# Altium PCB PCB1.PcbDoc (part 1 of 2) (continued)
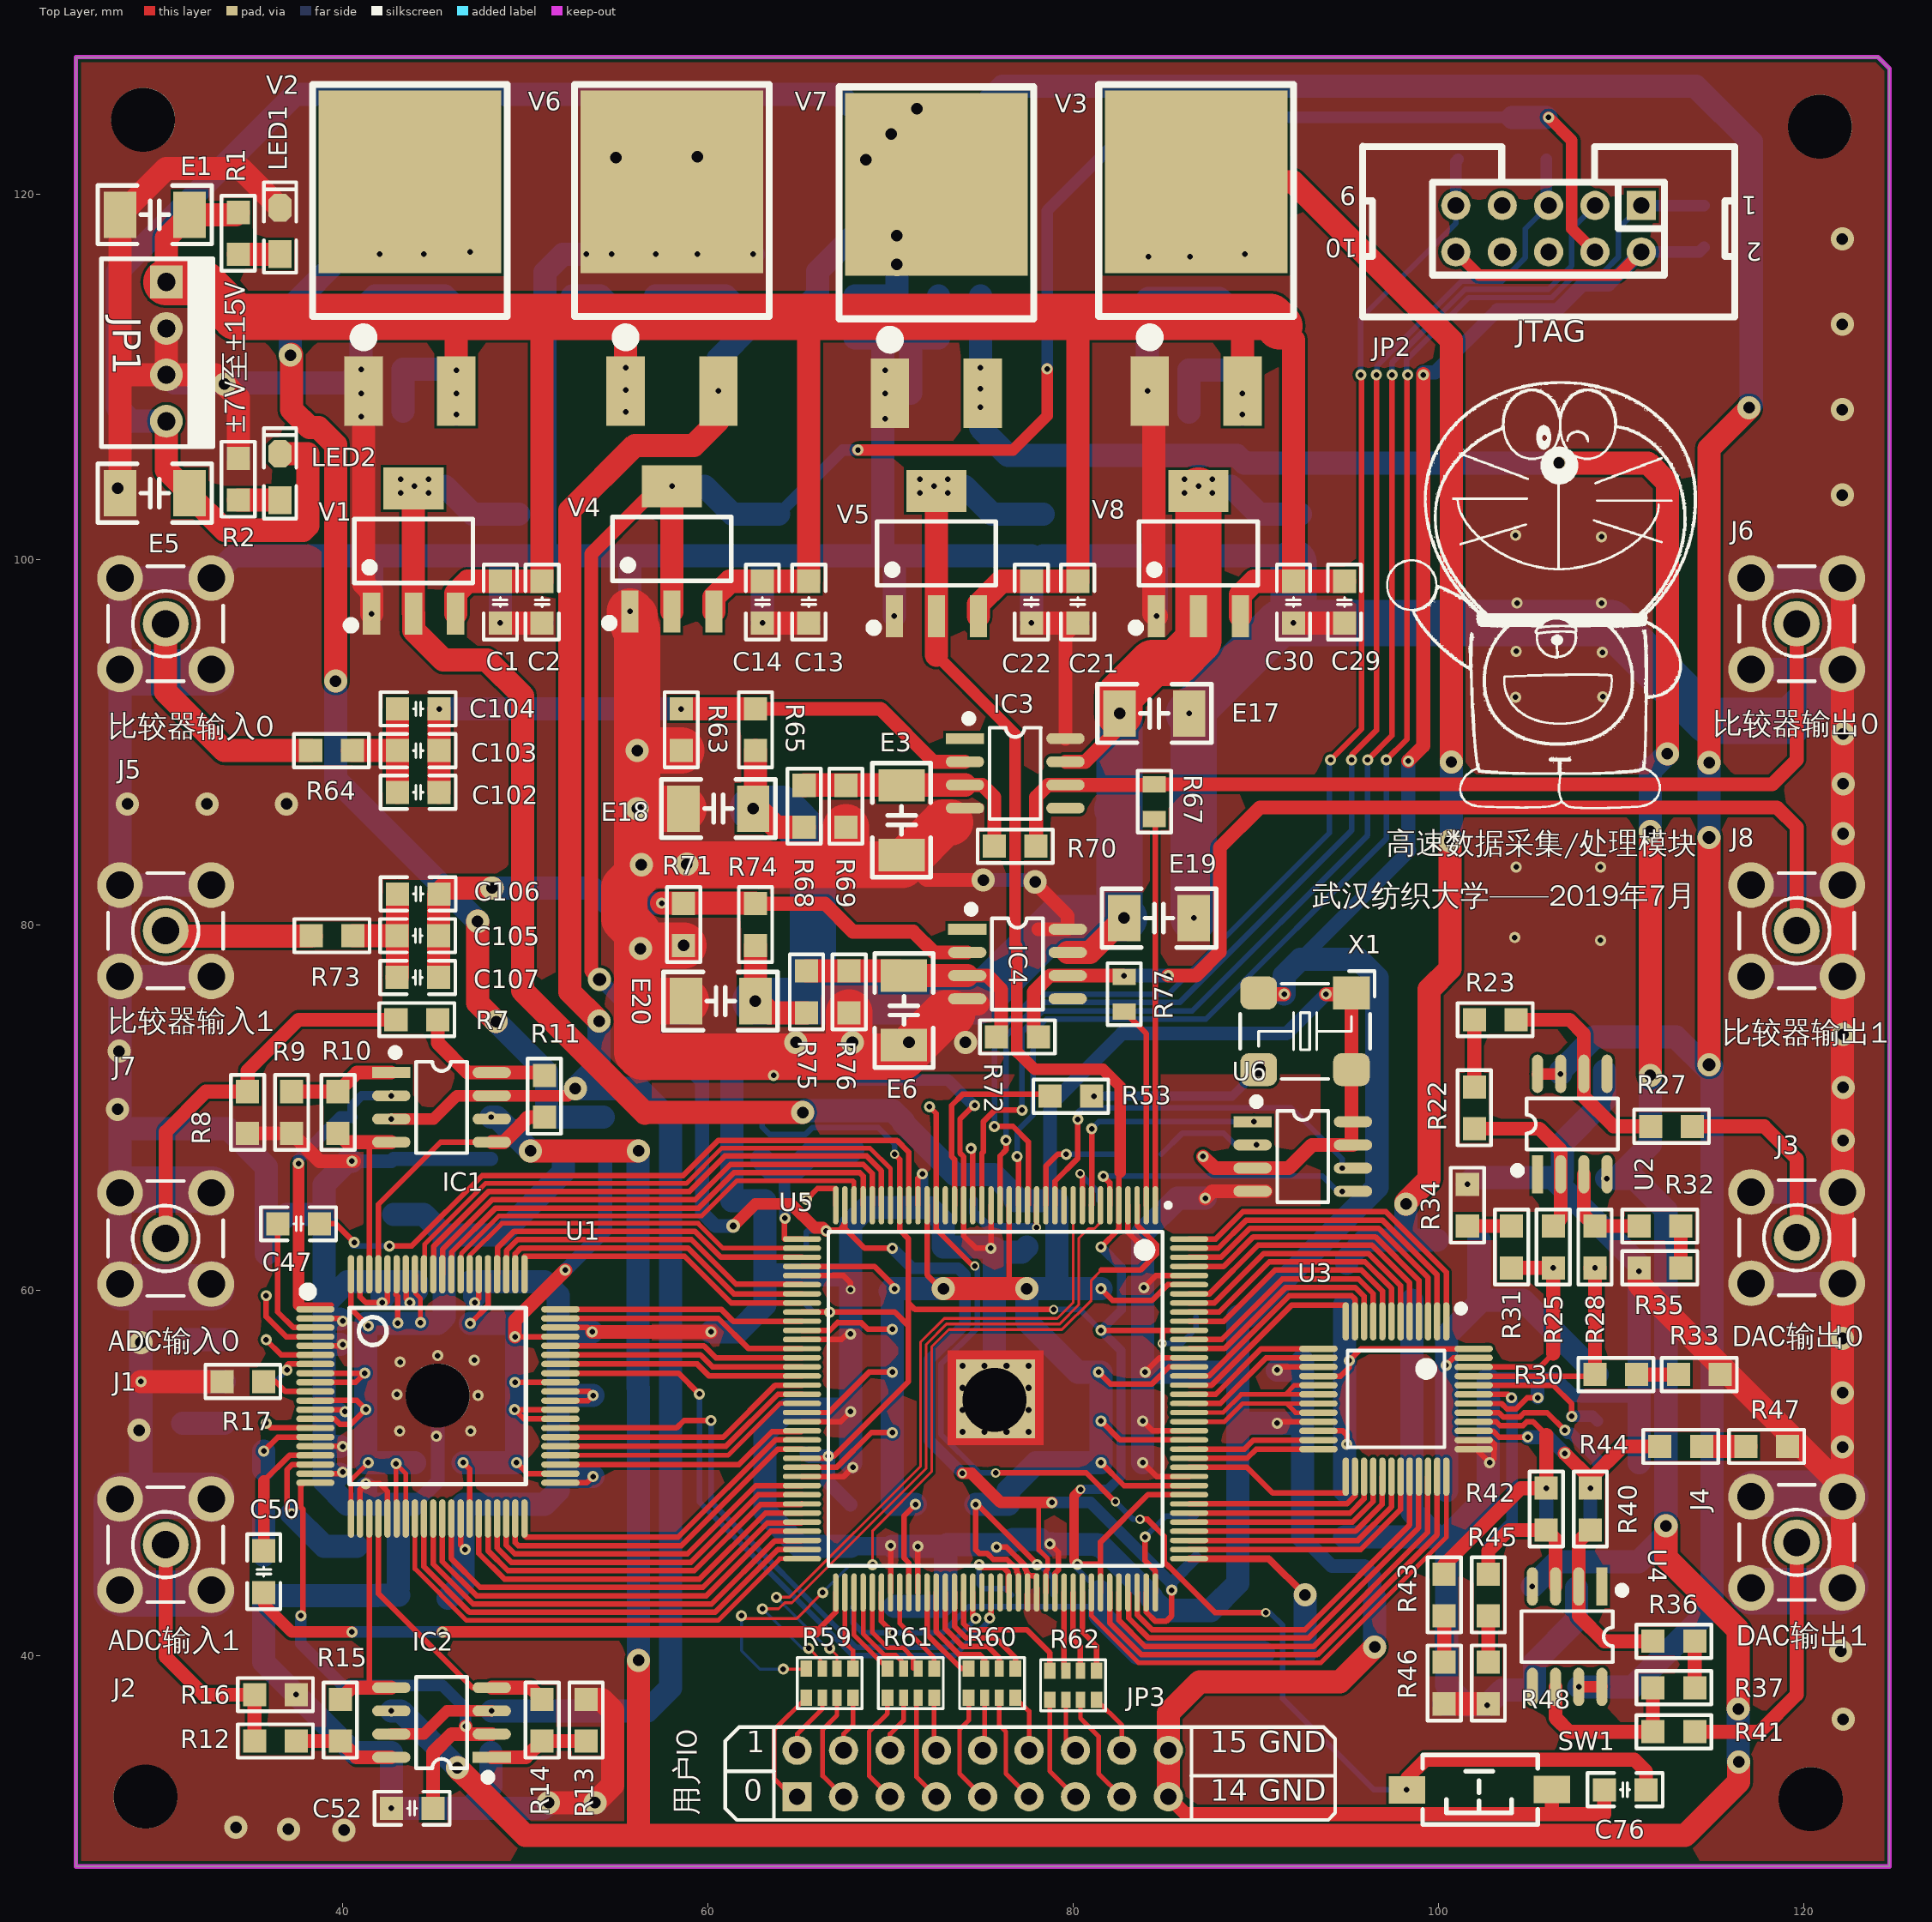
[diagram p0: Top Layer view]
## Footprints (in the part's own frame and the unit in brackets; to place one, negate y for a bottom-side part, rotate by r counter-clockwise, add the part's x,y. Pads: shape width x height; smd on the part's side, far side on the other; paste and mask are expansions set on the pad)
"C 0805_M" [mil] "无极性贴片电容"
  rect 50x50 smd: 1(-45,0) 2(45,0)
  silkscreen extent -81,-36 81,36, body extent -39,-24 39,24, height 20
"C 1210_M" [mil] "无极性贴片电容"
  rect 70x100 smd: 1(-75,0) 2(75,0)
  silkscreen extent -123,-63 123,63, body extent -63,-51 63,51, height 60
EQFP144_M [mm] "Thin QFP, 144-Leads, Body 20x20mm, Pitch 0.5mm, IPC Low Density"
  oval 2.1x0.3 smd: 1(-10.6,8.75) 2(-10.6,8.25) 3(-10.6,7.75) 4(-10.6,7.25) 5(-10.6,6.75) 6(-10.6,6.25) 7(-10.6,5.75) 8(-10.6,5.25) 9(-10.6,4.75) 10(-10.6,4.25) 11(-10.6,3.75) 12(-10.6,3.25) 13(-10.6,2.75) 14(-10.6,2.25) 15(-10.6,1.75) 16(-10.6,1.25) 17(-10.6,0.75) 18(-10.6,0.25) 19(-10.6,-0.25) 20(-10.6,-0.75) 21(-10.6,-1.25) 22(-10.6,-1.75) 23(-10.6,-2.25) 24(-10.6,-2.75) 25(-10.6,-3.25) 26(-10.6,-3.75) 27(-10.6,-4.25) 28(-10.6,-4.75) 29(-10.6,-5.25) 30(-10.6,-5.75) 31(-10.6,-6.25) 32(-10.6,-6.75) 33(-10.6,-7.25) 34(-10.6,-7.75) 35(-10.6,-8.25) 36(-10.6,-8.75) 73(10.6,-8.75) 74(10.6,-8.25) 75(10.6,-7.75) 76(10.6,-7.25) 77(10.6,-6.75) 78(10.6,-6.25) 79(10.6,-5.75) 80(10.6,-5.25) 81(10.6,-4.75) 82(10.6,-4.25) 83(10.6,-3.75) 84(10.6,-3.25) 85(10.6,-2.75) 86(10.6,-2.25) 87(10.6,-1.75) 88(10.6,-1.25) 89(10.6,-0.75) 90(10.6,-0.25) 91(10.6,0.25) 92(10.6,0.75) 93(10.6,1.25) 94(10.6,1.75) 95(10.6,2.25) 96(10.6,2.75) 97(10.6,3.25) 98(10.6,3.75) 99(10.6,4.25) 100(10.6,4.75) 101(10.6,5.25) 102(10.6,5.75) 103(10.6,6.25) 104(10.6,6.75) 105(10.6,7.25) 106(10.6,7.75) 107(10.6,8.25) 108(10.6,8.75)
  oval 0.3x2.1 smd: 37(-8.75,-10.6) 38(-8.25,-10.6) 39(-7.75,-10.6) 40(-7.25,-10.6) 41(-6.75,-10.6) 42(-6.25,-10.6) 43(-5.75,-10.6) 44(-5.25,-10.6) 45(-4.75,-10.6) 46(-4.25,-10.6) 47(-3.75,-10.6) 48(-3.25,-10.6) 49(-2.75,-10.6) 50(-2.25,-10.6) 51(-1.75,-10.6) 52(-1.25,-10.6) 53(-0.75,-10.6) 54(-0.25,-10.6) 55(0.25,-10.6) 56(0.75,-10.6) 57(1.25,-10.6) 58(1.75,-10.6) 59(2.25,-10.6) 60(2.75,-10.6) 61(3.25,-10.6) 62(3.75,-10.6) 63(4.25,-10.6) 64(4.75,-10.6) 65(5.25,-10.6) 66(5.75,-10.6) 67(6.25,-10.6) 68(6.75,-10.6) 69(7.25,-10.6) 70(7.75,-10.6) 71(8.25,-10.6) 72(8.75,-10.6) 109(8.75,10.6) 110(8.25,10.6) 111(7.75,10.6) 112(7.25,10.6) 113(6.75,10.6) 114(6.25,10.6) 115(5.75,10.6) 116(5.25,10.6) 117(4.75,10.6) 118(4.25,10.6) 119(3.75,10.6) 120(3.25,10.6) 121(2.75,10.6) 122(2.25,10.6) 123(1.75,10.6) 124(1.25,10.6) 125(0.75,10.6) 126(0.25,10.6) 127(-0.25,10.6) 128(-0.75,10.6) 129(-1.25,10.6) 130(-1.75,10.6) 131(-2.25,10.6) 132(-2.75,10.6) 133(-3.25,10.6) 134(-3.75,10.6) 135(-4.25,10.6) 136(-4.75,10.6) 137(-5.25,10.6) 138(-5.75,10.6) 139(-6.25,10.6) 140(-6.75,10.6) 141(-7.25,10.6) 142(-7.75,10.6) 143(-8.25,10.6) 144(-8.75,10.6)
  rect 4.3x4.3 smd: 145(0,0)
  silkscreen extent -10.72,-9.15 9.15,9.57, body extent -10,-10 10,10, height 1.6
HDR2.54-LI-2x9P [mm] "双排排针，9x2脚"
  rect 1.6x1.6 hole 0.9: 1(-10.16,-1.27)
  round 1.6 hole 0.9: 2(-10.16,1.27) 3(-7.62,-1.27) 4(-7.62,1.27) 5(-5.08,-1.27) 6(-5.08,1.27) 7(-2.54,-1.27) 8(-2.54,1.27) 9(0,-1.27) 10(0,1.27) 11(2.54,-1.27) 12(2.54,1.27) 13(5.08,-1.27) 14(5.08,1.27) 15(7.62,-1.27) 16(7.62,1.27) 17(10.16,-1.27) 18(10.16,1.27)
  silkscreen extent -11.43,-2.54 11.43,2.54, body extent -11.43,-2.54 11.43,2.54, height 8.5
IDC2.54-LI-2x5P [mm] "10P简易牛角座"
  rect 1.6x1.6 hole 0.9: 1(0,0)
  round 1.6 hole 0.9: 2(0,2.54) 3(2.54,0) 4(2.54,2.54) 5(5.08,0) 6(5.08,2.54) 7(7.62,0) 8(7.62,2.54) 9(10.16,0) 10(10.16,2.54)
  silkscreen extent -5.11,-3.23 15.27,6.1, body extent -5.08,-3.08 15.24,5.77, height 9.17
KF2510-LI-4P [mm] "接插件/2A"
  rect 1.8x1.8 hole 1: 1(-3.81,0)
  round 1.8 hole 1: 2(-1.27,0) 3(1.27,0) 4(3.81,0)
  silkscreen extent -5.08,-3.56 5.21,2.54, body extent -5.08,-3.5 5.08,2.4, height 11.05
"L 0805" [mil] "小功率贴片电感"
  rect 40x55 smd: 1(-45,0) 2(45,0)
  silkscreen extent -75,-35 75,35, body extent -39,-24 39,24, height 35
"LED 0805G" [mil] "绿色0805LED"
  rect 60x50 smd: 1(-50,0)
  oct 60x50 smd: 2(50,0)
  silkscreen extent -90,-35 105,35, body extent -39,-25 39,25, height 32
"LQFP80 12x12_M" [mm] "80脚，体宽12x12mm，脚距0.5mm"
  oval 0.35x2.1 smd: 1(-4.75,-6.706) 2(-4.25,-6.706) 3(-3.75,-6.706) 4(-3.25,-6.706) 5(-2.75,-6.706) 6(-2.25,-6.706) 7(-1.75,-6.706) 8(-1.25,-6.706) 9(-0.75,-6.706) 10(-0.25,-6.706) 11(0.25,-6.706) 12(0.75,-6.706) 13(1.25,-6.706) 14(1.75,-6.706) 15(2.25,-6.706) 16(2.75,-6.706) 17(3.25,-6.706) 18(3.75,-6.706) 19(4.25,-6.706) 20(4.75,-6.706) 41(4.75,6.717) 42(4.25,6.717) 43(3.75,6.717) 44(3.25,6.717) 45(2.75,6.717) 46(2.25,6.717) 47(1.75,6.717) 48(1.25,6.717) 49(0.75,6.717) 50(0.25,6.717) 51(-0.25,6.717) 52(-0.75,6.717) 53(-1.25,6.717) 54(-1.75,6.717) 55(-2.25,6.717) 56(-2.75,6.717) 57(-3.25,6.717) 58(-3.75,6.717) 59(-4.25,6.717) 60(-4.75,6.717)
  oval 2.1x0.35 smd: 21(6.706,-4.75) 22(6.706,-4.25) 23(6.706,-3.75) 24(6.706,-3.25) 25(6.706,-2.75) 26(6.706,-2.25) 27(6.706,-1.75) 28(6.706,-1.25) 29(6.706,-0.75) 30(6.706,-0.25) 31(6.706,0.25) 32(6.706,0.75) 33(6.706,1.25) 34(6.706,1.75) 35(6.706,2.25) 36(6.706,2.75) 37(6.706,3.25) 38(6.706,3.75) 39(6.706,4.25) 40(6.706,4.75) 61(-6.67,4.75) 62(-6.67,4.25) 63(-6.67,3.75) 64(-6.67,3.25) 65(-6.67,2.75) 66(-6.67,2.25) 67(-6.67,1.75) 68(-6.67,1.25) 69(-6.67,0.75) 70(-6.67,0.25) 71(-6.67,-0.25) 72(-6.67,-0.75) 73(-6.67,-1.25) 74(-6.67,-1.75) 75(-6.67,-2.25) 76(-6.67,-2.75) 77(-6.67,-3.25) 78(-6.67,-3.75) 79(-6.67,-4.25) 80(-6.67,-4.75)
  silkscreen extent -5.96,-7.36 4.83,4.83, body extent -7,-7 7,7, height 1.45
"OSC 7050-4P" [mm]
  rect 2x1.8 smd: 1(-2.54,-2.1)
  rrect50% 2x1.8 smd: 2(2.54,-2.1) 3(2.54,2.1) 4(-2.54,2.1)
  silkscreen extent -3.81,-3.3 3.56,2.61, body extent -3.5,-2.67 3.5,2.33, height 1.36
"R 0805_L" [mil] "1/8W贴片电阻"
  rect 35x50 smd: 1(-37.4,0) 2(37.4,0)
  silkscreen extent -67,-36 67,36, body extent -39,-25 39,25, height 20
"R 0805_M" [mil] "1/8W贴片电阻"
  rect 50x50 smd: 1(-45,0) 2(45,0)
  silkscreen extent -81,-36 81,36, body extent -39,-25 39,25, height 20
"R 1206_M" [mil] "1/4W贴片电阻"
  rect 60x62.99 smd: 1(-67.5,0) 2(67.5,0)
  silkscreen extent -112,-44 112,44, body extent -63,-31 63,31, height 22
RCA-8P4R-0603 [mm] "3.2mm*1.6mm*0.6mm(长*宽*厚)"
  rect 0.65x0.9 smd: 1(-1.28,-0.8) 4(1.28,-0.8) 5(1.28,0.8) 8(-1.28,0.8)
  rect 0.5x0.9 smd: 2(-0.4,-0.8) 3(0.4,-0.8) 6(0.4,0.8) 7(-0.4,0.8)
  silkscreen extent -1.78,-1.4 1.78,1.4, body extent -1.6,-0.8 1.6,0.8, height 0.6
SMA_FR#1 [mm] "SMA 90度射频天线座"
  round 2.5 hole 1.5: 1(0,0) 2(-2.5,2.5) 2(2.5,2.5) 3(-2.5,-2.5) 3(2.5,-2.5)
  silkscreen extent -3.15,-3.15 3.15,3.15, body extent -3.5,-3.5 3.5,11.6, height 10.26
SMA_FR#2 [mm] "SMA 90度射频天线座"
  round 2.5 hole 1.5: 1(0,0) 2(2.5,2.5) 3(2.5,-2.5) 4(-2.5,-2.5) 5(-2.5,2.5)
  silkscreen extent -3.15,-3.15 3.15,3.15, body extent -3.5,-3.5 3.5,11.6, height 10.26
SOP8_M#1 [mm] "5*6*1.8mm（长宽高）"
  rect 2.1x0.6 smd: 1(-2.75,15.42)
  oval 2.1x0.6 smd: 2(-2.75,14.15) 3(-2.75,12.88) 4(-2.75,11.61) 5(2.75,11.61) 6(2.75,12.88) 7(2.75,14.15) 8(2.75,15.42)
  silkscreen extent -2.69,11.01 1.4,16.67, body extent -3,11.01 3,16.01, height 1.9
SOP8_M#2 [mm] "5*6*1.8mm（长宽高）"
  rect 2.1x0.6 smd: 1(-2.75,1.905)
  oval 2.1x0.6 smd: 2(-2.75,0.635) 3(-2.75,-0.635) 4(-2.75,-1.905) 5(2.75,-1.905) 6(2.75,-0.635) 7(2.75,0.635) 8(2.75,1.905)
  silkscreen extent -2.69,-2.5 1.4,3.15, body extent -3,-2.5 3,2.5, height 1.9
SOT223_M [mm] "6.4x7x1.6mm(长宽高)"
  rect 0.95x2.3 smd: 1(-2.3,-3.429) 2(0,-3.429) 3(2.3,-3.429)
  rect 3.3x2.3 smd: 2(0,3.429)
  silkscreen extent -3.63,-4.26 3.25,1.75, body extent -3.25,-3.51 3.25,3.51, height 1.65
TO263 [mm]
  rect 2.1x3.8 smd: 1(-2.54,-11.45) 3(2.54,-11.45)
  rect 10x10 smd: 2(0,0)
  silkscreen extent -5.33,-8.89 5.33,5.33, body extent -4.92,-11.05 5.08,3.88, height 4.5
"TQFP48 7x7_M" [mm] "48脚，体宽：7x7mm, 脚距：0.5mm"
  oval 0.35x2.1 smd: 1(-2.75,-4.251) 2(-2.25,-4.251) 3(-1.75,-4.251) 4(-1.25,-4.251) 5(-0.75,-4.251) 6(-0.25,-4.251) 7(0.25,-4.251) 8(0.75,-4.251) 9(1.25,-4.251) 10(1.75,-4.251) 11(2.25,-4.251) 12(2.75,-4.251) 25(2.75,4.251) 26(2.25,4.251) 27(1.75,4.251) 28(1.25,4.251) 29(0.75,4.251) 30(0.25,4.251) 31(-0.25,4.251) 32(-0.75,4.251) 33(-1.25,4.251) 34(-1.75,4.251) 35(-2.25,4.251) 36(-2.75,4.251)
  oval 2.1x0.35 smd: 13(4.251,-2.75) 14(4.251,-2.25) 15(4.251,-1.75) 16(4.251,-1.25) 17(4.251,-0.75) 18(4.251,-0.25) 19(4.251,0.25) 20(4.251,0.75) 21(4.251,1.25) 22(4.251,1.75) 23(4.251,2.25) 24(4.251,2.75) 37(-4.251,2.75) 38(-4.251,2.25) 39(-4.251,1.75) 40(-4.251,1.25) 41(-4.251,0.75) 42(-4.251,0.25) 43(-4.251,-0.25) 44(-4.251,-0.75) 45(-4.251,-1.25) 46(-4.251,-1.75) 47(-4.251,-2.25) 48(-4.251,-2.75)
  silkscreen extent -3.68,-5.08 2.65,2.65, body extent -4.5,-4.5 4.5,4.5, height 1.05
"TSW SMD-3*6*2.5" [mm] "3*6*2.5mm"
  rect 2x1.5 smd: 1(-3.996,-0.02) 2(3.937,0)
  silkscreen extent -3.21,-1.9 3.09,1.9, body extent -4,-1.88 4,1.62, height 2.59

## Part data
C1 C2 C3 C4 C5 C6 C7 C8 C9 C10 C11 C12 C13 C14 C15 C16 C17 C18 C19 C20 C21 C22 C23 C24 C25 C26 C27 C28 C29 C30 C31 C32 C33 C34 C35 C36 C37 C38 C39 C40 C41 C42 C43 C44 C45 C46 C47 C48 C49 C50 C51 C52 C53 C54 C55 C56 C57 C58 C59 C60 C61 C62 C63 C64 C65 C66 C67 C68 C69 C70 C71 C72 C73 C74 C75 C76 C77 C78 C79 C80 C81 C82 C83 C84 C85 C86 C87 C88 C89 C90 C91 C92 C93 C94 C95 C96 C97 C98 C99 C100 C101 C102 C103 C104 C105 C106 C107: library part C, "无极性贴片电容"
E1 E2 E3 E4 E5 E6 E7 E8 E9 E10 E11 E12 E13 E14 E15 E16 E17 E18 E19 E20: library part C-CAP, "直插电解电容"
IC1 IC2 IC3 IC4: library part 24Cxx, "外置EEPROM"
JP1: library part "Header 4", "4P接插件"
JP2: "5*2P接插件"
JP3: "9*2P接插件"
L1 L2 L3 L4: library part L, "小功率贴片电感"
LED1 LED2: library part LED-SMD, "贴片LED"
R1 R2 R4 R5 R6 R7 R8 R9 R10 R11 R12 R13 R14 R15 R16 R17 R18 R19 R20 R21 R22 R23 R24 R25 R26 R27 R28 R29 R30 R31 R32 R33 R34 R35 R36 R37 R38 R39 R40 R41 R42 R43 R44 R45 R46 R47 R48 R50 R51 R52 R53 R54 R55 R56 R57 R58 R63 R64 R65 R66 R67 R68 R69 R70 R71 R72 R73 R74 R75 R76 R77: library part R, "贴片电阻"
R49: library part Res2, "Resistor"
R59 R60 R61 R62: library part R-8P4R, "贴片网络排阻"
SW1: library part "TSW 3x6", "3x6轻触开关"
U2 U4: library part 单运放
U5: "Cyclone IV Family FPGA, 2V Core, 91 I/O Pins, 2 PLLs, 144-Pin QFP, Speed Grade 8, Commercial Grade"
U6: library part EPCS1SI8
V1 V2 V3 V4 V5 V6 V7 V8: library part AMS1117, "三端稳压芯片"
X1: "4脚有源晶振"

## Free pads (board coordinates)
  round 3.5 hole 3.5: 0(29.083,124.079) 1(120.904,123.698) 2(120.396,32.131) 3(29.21,32.258) 4(45.212,54.229) 5(75.692,53.975)

## Via types
v1: diameter 0.61, hole 0.305, Top Layer to Bottom Layer, 236 vias
v2: diameter 1.27, hole 0.635, Top Layer to Bottom Layer, 79 vias
v3: diameter 0.508, hole 0.305, Top Layer to Bottom Layer, 17 vias
v4: diameter 0.66, hole 0.33, Top Layer to Bottom Layer, tented top, 16 vias
v5: diameter 1.27, hole 0.711, Top Layer to Bottom Layer, 3 vias
v6: diameter 1.27, hole 0.762, Top Layer to Bottom Layer, 1 vias
v7: diameter 1.27, hole 0.61, Top Layer to Bottom Layer, 1 vias
v8: diameter 0.762, hole 0.381, Top Layer to Bottom Layer, 1 vias

## Nets (pads, with @x,y where several pads share a name; then routed paths per layer and width w, separated by ;. In a path a pad name is that pad's centre, name@x,y a point inside that pad or via, vN(x,y) a via of type N, cw(c..) or ccw(c..) an arc to the next point about the centre after c; other vN are vias at no path point)
ADC_AVCC: C33.2 C34.2 C35.2 C36.2 C37.2 C38.2 E11.1 R4.2 U1.8 U1.9 U1.11 U1.13 U1.21 U1.26 U1.27 U1.73 U1.75 U1.80 | length 61.4
  Top Layer w0.254: U1.21@40.462,47.491 40.462,49.606 v1(41.402,50.546) ; U1.26@42.962,47.491 42.926,47.527 v1(42.926,50.491) 43.462,49.955 U1.27@43.462,47.491 ; U1.73@43.962,60.866 44.008,60.821 44.008,59.803 44.272,59.539 v1(44.272,58.217)
  Top Layer w0.305: U1.13@38.506,52.947 39.56,52.947 39.852,52.655 40.463,52.655 v1(41.275,53.467) 40.792,53.95 38.509,53.95 U1.11@38.506,53.947 ; U1.9@38.506,54.947 40.723,54.947 v1(41.223,55.447) U1.8@38.506,55.447 ; U1.80@40.462,60.866 40.462,58.979 v1(41.402,58.039) ; U1.75@42.962,60.866 42.951,60.856 42.951,59.8 42.919,59.767 43.025,59.662 v1(43.025,58.194)
  Bottom Layer w1.27: E11.1@42.799,64.135 44.45,64.135 45.568,63.017 ; C38.2@43.942,50.546 v1(41.402,50.546) C36.2@41.275,50.546 C35.2@41.275,53.213 v1(41.275,53.467) C34.2@41.275,55.88 C33.2@41.275,58.166 C37.2@44.069,58.166 45.212,58.166 45.568,58.522 45.568,63.017 ; R4.2@52.095,67.183 52.095,66.446 48.666,63.017 45.568,63.017
ADC_CLKA: C47.2 U5.28 | length 38.3
  Top Layer w0.305: C47.2@38.735,63.627 39.624,63.627 v1(40.64,62.611) ; v1(42.572,62.408) 43.786,62.408 47.647,66.269 58.649,66.269 60.579,68.199 70.358,68.199 71.01,67.547 U5.28@71.01,64.642
  Bottom Layer w0.305: v1@40.564,62.408 v1(42.572,62.408)
ADC_CLKB: C50.2 U5.73 | length 34.1
  Top Layer w0.305: 65.913,41.275 67.01,42.372 U5.73@67.01,43.442
  Top Layer w0.635: C50.2@35.687,43.434 35.687,42.799 37.211,41.275 v1(40.513,41.275) ; v1(45.466,41.275) 65.913,41.275
  Bottom Layer w0.635: v1(40.513,41.275) v1(45.466,41.275)
ADC_CLKOUTA: U1.53 U5.90 | length 35.9
  Top Layer w0.305: U1.53@51.929,55.447 58.396,55.447 v1(59.538,54.305) ; v1@75.438,41.91 v1(75.438,42.037) 75.51,42.109 U5.90@75.51,43.442
  Bottom Layer w0.305: v1(59.538,54.305) 59.538,48.401 67.959,39.98 73.501,39.98 75.438,41.917 v1(75.438,42.037)
ADC_CLKOUTB: U1.47 U5.88 | length 32.8
  Top Layer w0.305: U1.47@51.929,52.447 58.289,52.447 58.699,52.857 v1(60.173,52.857) ; U5.88@74.51,43.442 74.51,42.183 v1(74.676,42.017)
  Bottom Layer w0.305: v1(60.173,52.857) 60.173,48.412 68.148,40.437 73.126,40.437 74.676,41.987 v1(74.676,42.017)
ADC_DA0: U1.54 U5.52 | length 13.5
  Top Layer w0.305: U1.54@51.929,55.947 59.42,55.947 60.075,55.292 U5.52@65.16,55.292
ADC_DA1: U1.55 U5.51 | length 13.5
  Top Layer w0.305: U1.55@51.929,56.447 59.606,56.447 60.261,55.792 U5.51@65.16,55.792
ADC_DA2: U1.56 U5.50 | length 13.5
  Top Layer w0.305: U1.56@51.929,56.947 59.792,56.947 60.447,56.292 U5.50@65.16,56.292
ADC_DA3: U1.59 U5.49 | length 13.9
  Top Layer w0.305: U1.59@51.929,58.447 60.578,58.447 62.233,56.792 U5.49@65.16,56.792
ADC_DA4: U1.60 U5.46 | length 13.5
  Top Layer w0.305: U1.60@51.929,58.947 60.738,58.947 61.393,58.292 U5.46@65.16,58.292
ADC_DA5: U1.61 U5.44 | length 17.2
  Top Layer w0.305: U1.61@49.962,60.866 49.962,61.849 58.725,61.849 61.282,59.292 U5.44@65.16,59.292
ADC_DA6: U1.62 U5.43 | length 18
  Top Layer w0.305: U1.62@49.462,60.866 49.462,61.996 49.773,62.306 58.914,62.306 61.429,59.792 U5.43@65.16,59.792
ADC_DA7: U1.63 U5.42 | length 18.8
  Top Layer w0.305: U1.63@48.962,60.866 48.982,60.866 48.982,62.162 49.583,62.763 59.104,62.763 61.549,60.318 65.133,60.318 U5.42@65.16,60.292
ADC_DA8: U1.64 U5.39 | length 19.1
  Top Layer w0.305: U1.64@48.462,60.866 48.482,60.887 48.482,62.309 49.394,63.221 59.293,63.221 60.722,61.792 U5.39@65.16,61.792
ADC_DA9: U1.67 U5.38 | length 20.5
  Top Layer w0.254: U1.67@46.962,60.866 46.962,61.884 48.73,63.652 59.472,63.652 60.833,62.292 U5.38@65.16,62.292
ADC_DA10: U1.68 U5.34 | length 25.7
  Top Layer w0.254: U1.68@46.462,60.866 46.508,60.866 46.508,62.004 48.562,64.059 59.677,64.059 61.608,65.989 67.954,65.989 68.01,65.933 U5.34@68.01,64.642
ADC_DA11: U1.69 U5.33 | length 27.2
  Top Layer w0.305: U1.69@45.962,60.866 45.982,60.887 45.982,62.09 48.383,64.491 59.498,64.491 61.429,66.421 68.326,66.421 68.51,66.237 U5.33@68.51,64.642
ADC_DA12: U1.70 U5.32 | length 28.8
  Top Layer w0.305: U1.70@45.462,60.866 45.482,60.866 45.482,62.236 48.194,64.948 59.309,64.948 61.239,66.878 68.515,66.878 69.01,66.384 U5.32@69.01,64.642
ADC_DA13: U1.71 U5.31 | length 30.3
  Top Layer w0.305: U1.71@44.962,60.866 44.982,60.866 44.982,62.383 48.004,65.405 59.006,65.405 60.937,67.335 68.705,67.335 69.51,66.53 U5.31@69.51,64.642
ADC_DB0: U1.28 U5.72 | length 26.5
  Top Layer w0.254: U1.28@43.962,47.491 43.962,44.735 46.787,41.91 60.566,41.91 63.948,45.292 U5.72@65.16,45.292
ADC_DB1: U1.29 U5.71 | length 25.8
  Top Layer w0.305: U1.29@44.462,47.491 44.462,44.845 46.956,42.351 60.397,42.351 63.837,45.792 U5.71@65.16,45.792
ADC_DB2: U1.30 U5.70 | length 25
  Top Layer w0.305: U1.30@44.962,47.491 44.962,44.992 47.146,42.808 60.207,42.808 63.648,46.249 65.117,46.249 U5.70@65.16,46.292
ADC_DB3: U1.31 U5.69 | length 24.3
  Top Layer w0.305: U1.31@45.462,47.491 45.462,45.139 47.335,43.265 59.926,43.265 63.452,46.792 U5.69@65.16,46.792
ADC_DB4: U1.32 U5.68 | length 23.5
  Top Layer w0.305: U1.32@45.962,47.491 45.962,45.285 47.525,43.723 59.736,43.723 63.262,47.249 65.117,47.249 U5.68@65.16,47.292
ADC_DB5: U1.35 U5.67 | length 21.7
  Top Layer w0.305: U1.35@47.462,47.491 47.462,45.583 48.865,44.18 59.547,44.18 63.159,47.792 U5.67@65.16,47.792
ADC_DB6: U1.36 U5.66 | length 20.9
  Top Layer w0.305: U1.36@47.962,47.491 47.962,45.729 49.054,44.637 59.265,44.637 62.877,48.249 65.117,48.249 U5.66@65.16,48.292
ADC_DB7: U1.37 U5.65 | length 20.2
  Top Layer w0.305: U1.37@48.462,47.491 48.462,45.876 49.244,45.094 59.076,45.094 62.773,48.792 U5.65@65.16,48.792
ADC_DB8: U1.38 U5.64 | length 19.4
  Top Layer w0.305: U1.38@48.962,47.491 48.962,46.022 49.433,45.551 58.886,45.551 62.627,49.292 U5.64@65.16,49.292
ADC_DB9: U1.39 U5.60 | length 19.3
  Top Layer w0.305: U1.39@49.462,47.491 49.462,46.169 49.622,46.009 58.567,46.009 63.85,51.292 U5.60@65.16,51.292
ADC_DB10: U1.40 U5.59 | length 18.4
  Top Layer w0.305: U1.40@49.962,47.491 49.962,46.558 50.054,46.466 58.378,46.466 63.704,51.792 U5.59@65.16,51.792
ADC_DB11: U1.43 U5.58 | length 14
  Top Layer w0.305: U1.43@51.929,50.447 61.712,50.447 63.514,52.249 65.117,52.249 U5.58@65.16,52.292
ADC_DB12: U1.44 U5.55 | length 14.4
  Top Layer w0.254: U1.44@51.929,50.947 61.107,50.947 63.952,53.792 U5.55@65.16,53.792
ADC_DB13: U1.45 U5.54 | length 14.4
  Top Layer w0.305: U1.45@51.929,51.447 60.996,51.447 63.841,54.292 U5.54@65.16,54.292
ADC_DVCC: C39.2 C40.2 C41.2 C42.2 C43.2 C44.2 R5.1 U1.34 U1.42 U1.48 U1.49 U1.52 U1.57 U1.65 | length 44
  Top Layer w0.305: v1(46.609,50.546) 46.962,50.193 U1.34@46.962,47.491 ; v1(46.99,58.166) 47.962,59.138 U1.65@47.962,60.866 ; v1(49.446,57.447) U1.57@51.929,57.447 ; v1(49.447,54.947) U1.52@51.929,54.947 ; v1(49.53,50.546) 50.129,49.947 U1.42@51.929,49.947 ; U1.48@51.929,52.947 49.923,52.947 v1(49.423,53.447) U1.49@51.929,53.447
  Top Layer w0.762: v1(49.446,57.447) 49.446,58.34 50.76,59.655 50.765,59.655 v1(52.197,61.087)
  Bottom Layer w0.762: v1(52.197,61.087) 54.381,63.271 R5.1@54.381,67.183
  Bottom Layer w1.27: v1(46.609,50.546) v1(49.53,50.546) C40.2@49.53,53.213 C39.2@49.53,55.752 C44.2@49.53,58.166 v1(46.99,58.166)
ADC_OVERA: U1.72 U5.30 | length 31.8
  Top Layer w0.254: U1.72@44.462,60.866 44.508,60.866 44.508,62.519 47.826,65.837 58.827,65.837 60.758,67.767 68.884,67.767 70.01,66.641 U5.30@70.01,64.642
ADC_OVERB: U1.46 U5.53 | length 14.4
  Top Layer w0.305: U1.46@51.929,51.947 60.849,51.947 63.694,54.792 U5.53@65.16,54.792
ADC_VCC: C7.2 C8.2 E4.1 R4.1 R5.2 V2.2 | length 64.6
  Top Layer w1.27: v2@37.211,111.227 37.211,108.204 38.202,107.213 38.689,107.213 39.624,106.279 v2(39.624,93.345) ; v2(47.396,80.188) 47.396,75.717 v2(48.412,74.701)
  Bottom Layer w1.27: v2(37.148,111.188) 37.148,113.792 40.069,116.713 v1(42.037,116.713) C8.2@44.323,116.713 v1(44.45,116.713) 46.863,116.713 v1(46.99,116.84) ; v2(39.624,93.345) 39.624,87.96 v2(47.396,80.188) ; v2(48.412,74.701) 51.181,71.933 51.181,69.469 R5.2@54.28,69.469
AGND: C1.1 C2.1 C3.1 C4.1 C5.1 C6.1 C7.1 C8.1 C9.1 C10.1 C11.1 C12.1 C13.1 C14.1 C15.1 C16.1 C17.1 C18.1 C19.1 C20.1 C21.1 C22.1 C23.1 C24.1 C25.1 C26.1 C27.1 C28.1 C29.1 C30.1 C31.1 C32.1 C33.1 C34.1 C35.1 C36.1 C37.1 C38.1 C45.2 C46.1 C48.1 C49.1 C51.1 C52.1 C53.2 C54.1 C59.1 C60.1 C61.1 C62.1 C68.1 C69.1 C70.1 C71.2 C73.1 C74.1 E1.2 E2.2 E3.2 E4.2 E5.1 E6.2 E7.2 E8.2 E9.2 E10.2 E11.2 E12.2 E13.2 E14.2 E17.2 E18.2 E19.2 E20.2 IC3.4 IC3.8 IC4.4 IC4.8 J1.2 J1.3 J2.2 J2.3 J2.4 J2.5 J3.2 J3.3 J4.2 J4.3 J5.2 J5.3 J6.2 J6.3 J7.2 J7.3 J8.2 J8.3 JP1.2 JP1.3 LED1.2 pad.0 pad.1 pad.2 pad.3 pad.4 R2.1 R6.1 R8.2 R9.1 R13.1 R16.1 R17.1 R18.1 R19.1 R20.1 R21.1 R29.2 R33.1 R34.2 R35.2 R38.2 R39.2 R46.1 R47.2 R48.2 R63.2 R66.2 R69.1 R71.2 R76.1 U1.2 U1.5 U1.12 U1.16 U1.19 U1.22 U1.25 U1.74 U1.76 U1.79 U3.37 U3.38 U3.42 V1.1 V2.1 V3.1 V4.1 V5.1 V6.2 V7.1 V8.1 | length 866
  Top Layer w0.305: U1.19@38.506,49.947 39.914,49.947 v1(40.005,50.038) ; U1.16@38.506,51.447 39.993,51.447 v1(40.005,51.435) ; U1.12@38.506,53.447 40.025,53.447 v1(40.132,53.34) ; U1.5@38.506,56.947 39.929,56.947 v1(40.005,57.023) ; U1.2@38.506,58.447 39.851,58.447 v1(40.005,58.293) ; U1.22@40.962,47.491 40.962,49.09 v1(41.275,49.403) 42.037,49.403 42.462,48.978 U1.25@42.462,47.491 ; U1.79@40.962,60.866 40.962,59.622 41.275,59.309 v1(42.164,59.309) 42.418,59.309 42.462,59.353 U1.76@42.462,60.866 ; U1.74@43.462,60.866 43.482,60.846 43.482,59.515 43.682,59.315 v1(43.682,59.303) ; U3.37@101.942,51.285 102.08,51.285 v1(102.819,50.546) 103.05,50.777 103.05,51.285 103.073,51.308 103.073,51.56 102.849,51.785 U3.38@101.942,51.785 ; U3.42@101.942,53.785 103.468,53.785 103.76,53.492 104.266,53.492 104.875,54.102 v1(105.461,54.102)
  Top Layer w0.762: R8.2@34.798,68.58 R9.1@37.211,68.58 38.735,67.056 v1(40.513,67.056) v1@40.64,67.056 ; E3.2@70.612,83.82 70.889,83.543 71.984,82.448 v2(75.082,82.448) ; v2(77.927,82.347) 77.927,82.271 79.712,80.486 IC4.8@79.712,79.754 78.107,79.754 ; IC3.8@79.585,90.194 79.585,95.841 C21.1@80.264,96.52
  Top Layer w1.016: E6.2@70.739,73.406 E6.2@71.12,73.406
  Top Layer w1.27: E5.1@27.813,103.632 27.813,110.109 ; v1(28.956,54.991) R17.1@33.401,54.991 ; JP1.2@30.353,112.649 JP1.3@30.353,110.109 ; R2.1@34.29,105.537 34.29,108.839 v2(33.528,109.601) 33.02,110.109 JP1.3@30.353,110.109 ; LED1.2@36.576,119.253 34.417,121.412 30.353,121.412 E1.2@27.813,118.872 27.813,110.109 ; V2.1@41.148,109.22 41.148,98.679 41.592,98.235 v1(41.592,97.028) ; v1(48.641,96.52) C2.1@50.927,96.52 ; v2(51.283,31.928) v2(53.823,31.928) 54.788,32.893 54.788,36.982 54.178,37.592 R13.1@53.34,37.592 ; v1(62.992,96.52) C13.1@65.532,96.52 ; 67.691,83.82 E3.2@70.612,83.82 ; v2@67.742,73.406 E6.2@70.739,73.406 ; E6.2@71.12,73.406 73.383,75.669 IC4.4@74.803,75.669 ; v1(77.724,96.52) C21.1@80.264,96.52 ; V3.1@84.201,109.22 84.431,108.99 84.431,97.038 v1(84.568,96.901) ; v1(92.075,96.52) C29.1@94.869,96.52 ; R46.1@100.33,37.338 R48.2@102.743,37.338 ; R35.2@110.998,61.214 v1(110.998,61.023) 110.998,60.325 J4.2@122.134,49.189 ; J4.2@122.134,43.686 J4.2@122.134,48.686 J4.2@122.134,49.189 ; J6.2@122.134,98.98 J6.2@122.134,93.98 J8.2@122.134,82.174 J8.2@122.134,77.174 J3.2@122.134,65.367 J3.2@122.134,60.367 v2(122.134,57.353) v2(122.134,54.381) v2(122.134,51.41) J4.2@122.134,49.189 ; 27.813,110.109 JP1.3@30.353,110.109
  Top Layer w2.54: v1(55.739,97.155) 55.982,96.912 55.982,96.303 56.134,96.15 v2(56.134,89.535) ; R63.2@58.547,89.535 v2(56.134,89.535) ; v2(58.674,78.867) v2@56.134,78.867 ; E18.2@58.674,86.36 v2(56.134,86.36) ; E20.2@58.801,75.819 56.261,75.819 56.134,75.946 ; R69.1@67.564,85.344 67.564,83.947 67.691,83.82 ; R76.1@67.742,75.184 67.742,73.406 67.742,72.847 67.818,72.771 ; 73.278,85.597 72.943,85.597 70.889,83.543 70.633,83.287 v2(56.363,83.287) v2@56.134,83.058 ; 73.383,75.157 73.048,75.157 70.662,72.771 67.818,72.771 ; 56.134,75.946 v2@56.134,78.867 ; 56.134,75.946 56.134,73.025 56.388,72.771 67.818,72.771 ; v2@56.134,78.867 56.134,79.615 55.423,80.326 55.423,82.031 56.134,82.742 v2@56.134,83.058 ; v2@56.134,83.058 v2(56.134,86.36) ; v2(56.134,86.36) v2(56.134,89.535)
  Bottom Layer w0.762: v1(40.513,67.056) 42.673,67.056 C45.2@42.8,67.183 C49.1@48.133,67.183 ; C38.1@43.942,48.26 45.212,49.53 pad.4@45.212,54.229 ; C53.2@48.133,34.671 C53.2@48.26,34.798 ; v2(75.082,82.448) 77.826,82.448 v2(77.927,82.347) ; C60.1@102.743,53.721 C60.1@103.022,54 ; 102.743,55.118 105.435,55.118 ; v1@105.435,54.127 105.435,55.118 ; 110.998,53.975 110.769,54.204 107.856,54.204 107.831,54.229 107.315,54.229 106.426,55.118 105.435,55.118
  Bottom Layer w1.27: J2.2@27.813,48.561 27.985,48.733 28.956,49.704 R20.1@28.956,52.705 v1(28.956,54.991) v2(28.956,57.125) R18.1@28.956,57.277 28.956,59.182 27.985,60.153 27.813,60.325 27.813,65.327 27.813,68.834 ; JP1.3@30.353,110.109 30.797,109.664 40.272,109.664 v1(41.021,110.414) ; J7.3@32.813,77.174 J7.2@27.813,77.174 ; J7.3@32.813,82.174 J7.2@27.813,82.174 ; C48.1@35.814,61.976 35.814,62.992 ; 39.751,53.213 C35.1@38.989,53.213 ; v1@39.853,49.911 39.472,49.53 38.989,49.53 ; v1@39.853,51.435 38.989,51.435 ; v1@39.853,57.023 38.989,57.023 ; v1@39.853,58.42 38.989,58.42 ; v1(40.513,67.056) 40.259,67.056 38.989,65.786 E11.2@38.989,64.135 ; v1(41.021,109.093) v1(41.021,110.414) ; v1@41.275,49.124 C36.1@41.275,48.26 ; v1(41.592,97.028) 41.592,100.203 ; v1@42.236,59.588 42.164,59.661 42.164,60.452 C33.1@41.275,60.452 40.259,60.452 38.989,59.182 ; 42.236,60.452 C37.1@44.069,60.452 44.069,59.976 v1@43.682,59.588 ; R6.1@43.078,43.282 R6.1@42.647,43.282 ; C38.1@43.942,48.26 43.18,48.26 ; E4.2@46.99,113.03 45.593,114.427 C8.1@44.323,114.427 C7.1@42.037,114.427 41.783,114.427 41.021,113.665 v1(41.021,110.414) ; C53.2@48.133,34.671 48.133,32.829 46.926,31.623 ; v1(48.641,96.52) 48.641,100.203 ; v2(51.283,31.928) 50.978,31.623 46.926,31.623 ; v1(55.739,97.155) 55.739,100.189 55.753,100.203 ; v1(62.484,116.713) v1(59.436,116.713) v1(57.15,116.713) C17.1@54.864,116.713 v1(54.737,116.713) v1(53.34,116.713) C18.1@52.578,116.713 52.07,116.713 51.079,115.722 51.079,100.203 ; v1(62.992,96.52) 62.992,100.203 ; C25.1@68.072,112.141 69.596,112.141 69.596,100.457 69.85,100.203 ; v1(69.723,109.093) E12.2@71.12,109.093 71.12,112.141 C27.1@72.644,112.141 C28.1@72.644,114.427 ; v1(70.217,96.901) 70.217,99.836 69.85,100.203 ; E10.2@72.39,100.076 72.263,100.203 69.85,100.203 ; E10.2@72.39,100.203 C23.1@75.565,100.203 77.724,100.203 v1(77.724,96.52) ; C24.1@78.359,100.203 84.201,100.203 ; 84.074,100.33 84.201,100.203 ; C9.1@84.074,108.077 v1(84.074,109.22) C10.1@84.074,110.363 84.074,114.25 C12.1@84.124,114.3 C11.1@86.411,114.3 88.011,114.3 E7.2@89.408,112.903 ; v1(84.568,96.901) 84.568,99.836 84.201,100.203 ; C32.1@92.075,99.822 C32.1@92.456,100.203 ; C32.1@92.329,100.203 C31.1@90.17,100.203 E13.2@86.868,100.203 84.201,100.203 ; R29.2@94.869,46.482 C71.2@99.949,46.482 ; E14.2@98.552,59.436 98.552,47.879 C71.2@99.949,46.482 ; v1(101.6,65.786) 101.981,66.167 C69.1@106.236,66.167 ; 102.743,55.118 C60.1@102.743,53.721 C61.1@102.743,51.308 C62.1@102.743,49.022 102.743,48.768 100.457,46.482 C71.2@100.457,45.974 ; C74.1@107.569,43.688 107.569,41.91 105.283,39.624 C73.1@105.283,38.1 103.505,38.1 v1(102.679,37.274) 101.536,37.274 100.457,38.354 C71.2@100.457,45.974 ; C68.1@109.093,72.009 109.093,70.358 106.807,68.072 C69.1@106.807,66.167 C69.1@106.236,66.167 ; R39.2@110.998,50.546 R38.2@110.998,52.832 110.998,53.975 C70.1@110.998,55.372 v1(110.998,61.023) 110.998,61.404 C69.1@106.236,66.167 ; J3.3@117.134,60.367 J3.2@122.134,60.367 J3.2@122.134,65.367 J3.3@117.134,65.367 ; J8.3@117.134,77.174 J8.2@122.134,77.174 ; J8.3@117.134,82.174 J8.2@122.134,82.174 ; J6.3@117.134,93.98 J6.2@122.134,93.98 ; J6.3@117.134,98.98 J6.2@122.134,98.98 ; 27.813,68.834 J7.2@27.813,77.174 ; 27.813,68.834 33.731,68.834 35.814,66.751 35.814,62.992 ; J7.2@27.813,77.174 J7.2@27.813,82.174 ; J7.2@27.813,82.174 J5.2@27.813,93.98 J5.2@27.813,98.98 J5.3@32.813,98.98 34.036,100.203 41.592,100.203 ; 35.814,62.992 36.957,64.135 E11.2@38.989,64.135 ; 38.989,49.53 40.259,48.26 C36.1@41.275,48.26 ; 38.989,49.53 38.989,51.435 ; 38.989,51.435 C35.1@38.989,53.213 ; C35.1@38.989,53.213 C34.1@38.989,55.88 38.989,57.023 ; 38.989,57.023 38.989,58.42 ; 38.989,58.42 38.989,59.182 ; 38.989,59.182 E11.2@38.989,64.135 ; C36.1@41.275,48.26 43.18,48.26 ; 41.592,100.203 E2.2@43.942,100.203 C3.1@47.117,100.203 48.641,100.203 ; R6.1@42.647,43.282 R6.1@42.507,43.282 41.885,43.282 41.872,43.269 35.776,43.269 R21.1@35.687,43.18 35.687,39.624 v1(37.465,37.846) 40.64,34.671 C54.1@42.672,34.671 v1(42.672,31.623) 46.926,31.623 ; R6.1@42.647,43.282 43.053,43.688 C51.1@43.053,45.974 43.053,48.133 43.18,48.26 ; 48.641,100.203 C4.1@49.657,100.203 51.079,100.203 ; 51.079,100.203 55.753,100.203 ; 55.753,100.203 E8.2@58.039,100.203 C15.1@61.341,100.203 62.992,100.203 ; 62.992,100.203 C16.1@63.881,100.203 69.85,100.203 ; C71.2@99.949,46.482 C71.2@100.457,45.974
  Bottom Layer w2.54: J1.2@27.811,65.325 27.813,65.327 27.984,65.497 32.811,65.497 J1.3@32.811,65.325 ; J2.2@27.813,48.561 27.641,48.389 27.641,43.561 J2.5@27.813,43.561 27.985,43.389 32.813,43.389 J2.4@32.813,43.561 ; J5.2@27.813,93.98 27.985,93.808 32.813,93.808 J5.3@32.813,93.98 ; J2.2@27.985,48.733 32.813,48.733 J2.3@32.813,48.561 ; J1.2@27.985,60.153 32.811,60.153 J1.3@32.811,60.325 ; v1(86.614,80.364) 86.614,91.313 v1(86.36,91.567) 91.313,96.52 v1(92.075,96.52) ; C32.1@92.075,99.822 v1(92.075,96.52) ; J4.3@117.134,43.686 117.134,43.513 121.962,43.513 J4.2@122.134,43.686 J4.2@122.306,43.858 ; J4.3@117.134,48.686 117.306,48.858 122.134,48.858 J4.2@122.134,48.686 J4.2@122.306,48.686 ; J6.2@122.134,93.98 119.315,91.161 114.808,91.161 109.449,96.52 v1(92.075,96.52)
  other v1: 45.136,51.994 43.129,52.273 47.015,52.273 47.422,54.229 42.977,54.28 43.155,56.058 47.219,56.159 45.212,56.413 63.602,71.755 108.89,79.146 104.191,79.299 104.267,83.16 108.89,83.16 104.242,92.456 109.017,92.481 108.991,94.92 104.267,94.971 104.318,97.612 108.941,97.612 108.941,101.244 104.242,101.321 69.723,107.696 41.021,107.823 69.723,110.363
  other v2: 40.081,30.429 37.033,30.48 34.163,30.582 122.174,36.5 122.047,40.234 28.854,52.324 122.174,68.199 27.686,69.901 122.174,71.095 27.762,73.076 64.821,73.558 67.92,73.558 71.018,73.558 74.117,73.558 122.174,73.99 56.312,78.689 58.852,83.312 122.174,84.988 28.219,86.614 32.575,86.614 36.932,86.614 122.174,87.719 122.174,90.449 122.123,103.53 27.686,103.911 122.123,108.204 122.123,112.878 122.123,117.551 54.966,121.996 59.436,122.047
ASDO: U5.6 U6.5 | length 15.2
  Top Layer w0.305: v1(81.661,66.23) 82.01,65.881 U5.6@82.01,64.642
  Bottom Layer w0.305: v1(81.661,66.23) 93.663,66.23 94.488,65.405 v1(94.742,65.405)
CLKMA: C48.2 U1.4 | length 4.3
  Top Layer w0.305: v1(35.814,59.69) 35.814,58.547 36.914,57.447 U1.4@38.506,57.447
CLKMB: C51.2 U1.18 | length 8.5
  Top Layer w0.305: v1(37.211,47.752) 36.957,48.006 36.957,50.165 37.239,50.447 U1.18@38.506,50.447
  Bottom Layer w1.27: v1(37.211,47.752) 38.989,45.974 C51.2@40.767,45.974
CMA: C46.2 IC1.2 U1.1 | length 16.7
  Top Layer w0.305: 37.592,59.182 39.37,59.182
  Top Layer w0.635: 37.592,59.182 v1(37.592,66.929)
  Bottom Layer w0.508: C46.2@40.513,69.469 40.513,70.104 41.045,70.636 v1(42.672,70.636)
  Bottom Layer w0.635: v1(37.592,66.929) 37.592,67.183 39.878,69.469 C46.2@40.513,69.469
CMB: C52.2 IC2.2 U1.20 | length 28.1
  Top Layer w0.305: v1(37.719,42.164) 37.821,42.266 37.821,48.005 37.719,48.106 37.719,49.276 37.89,49.447 U1.20@38.506,49.447
  Top Layer w0.762: C52.2@44.958,31.623 44.958,34.671 45.974,35.687 46.736,35.687 ; v1(46.736,36.106) 46.736,35.687 ; IC2.2@48.172,35.687 46.736,35.687
  Bottom Layer w0.635: v1(37.719,42.164) 37.719,40.64 40.005,38.354 45.466,38.354 46.736,37.084 v1(46.736,36.106)
DAC_AVCC: C59.2 C60.2 C61.2 C62.2 C70.2 E14.1 R26.1 U3.47 | length 24.3
  Top Layer w0.305: v1(100.432,55.88) 100.836,56.285 U3.47@101.942,56.285
  Bottom Layer w1.27: C62.2@100.457,49.022 C61.2@100.457,51.308 C60.2@100.457,53.721 C59.2@100.457,56.007 100.457,57.531 E14.1@102.362,59.436 ; R26.1@102.235,62.738 102.235,59.563 E14.1@102.362,59.436 ; C70.2@108.712,55.372 104.648,59.436 E14.1@102.362,59.436
DAC_CLKA: U3.17 U3.18 U5.125 | length 9.5
  Top Layer w0.254: U5.125@86.36,53.292 88.217,53.292 89.21,54.285 91.623,54.285 ; U3.18@93.44,54.285 91.623,54.285 ; U3.17@93.44,54.785 92.123,54.785 91.623,54.285
DAC_CLKB: U3.19 U3.20 U5.124 | length 9.4
  Top Layer w0.254: U5.124@86.36,52.792 88.291,52.792 89.285,53.785 91.694,53.785 ; U3.20@93.44,53.285 92.194,53.285 91.694,53.785 ; U3.19@93.44,53.785 91.694,53.785
DAC_DA0: U3.14 U5.126 | length 8.1
  Top Layer w0.305: U5.126@86.36,53.792 88.082,53.792 90.575,56.285 U3.14@93.44,56.285
DAC_DA1: U3.13 U5.127 | length 8.1
  Top Layer w0.305: U5.127@86.36,54.292 87.82,54.292 90.313,56.785 U3.13@93.44,56.785
DAC_DA2: U3.12 U5.128 | length 11.3
  Top Layer w0.305: U5.128@86.36,54.792 87.592,54.792 91.983,59.182 94.941,59.182 U3.12@94.941,58.286
DAC_DA3: U3.11 U5.129 | length 12.2
  Top Layer w0.305: U5.129@86.36,55.292 87.446,55.292 91.844,59.69 95.261,59.69 95.441,59.51 U3.11@95.441,58.286
DAC_DA4: U3.10 U5.132 | length 12.5
  Top Layer w0.305: U5.132@86.36,56.792 88.299,56.792 91.655,60.147 95.451,60.147 95.941,59.657 U3.10@95.941,58.286
DAC_DA5: U3.9 U5.133 | length 13.3
  Top Layer w0.305: U5.133@86.36,57.292 88.153,57.292 91.465,60.604 95.64,60.604 96.441,59.803 U3.9@96.441,58.286
DAC_DA6: U3.8 U5.135 | length 13.9
  Top Layer w0.305: U5.135@86.36,58.292 88.264,58.292 91.059,61.087 95.804,61.087 96.941,59.95 U3.8@96.941,58.286
DAC_DA7: U3.7 U5.136 | length 14.6
  Top Layer w0.305: U5.136@86.36,58.792 88.002,58.792 90.754,61.544 95.993,61.544 97.441,60.097 U3.7@97.441,58.286
DAC_DA8: U3.6 U5.137 | length 15.4
  Top Layer w0.305: U5.137@86.36,59.292 87.74,59.292 90.449,62.001 96.183,62.001 97.941,60.243 U3.6@97.941,58.286
DAC_DA9: U3.5 U5.138 | length 16.1
  Top Layer w0.305: U5.138@86.36,59.792 87.478,59.792 90.145,62.459 96.372,62.459 98.441,60.39 U3.5@98.441,58.286
DAC_DA10: U3.4 U5.141 | length 16.5
  Top Layer w0.305: U5.141@86.36,61.292 88.25,61.292 89.875,62.916 96.561,62.916 98.941,60.536 U3.4@98.941,58.286
DAC_DA11: U3.3 U5.142 | length 17.2
  Top Layer w0.305: U5.142@86.36,61.792 88.104,61.792 89.685,63.373 96.751,63.373 99.441,60.683 U3.3@99.441,58.286